# KiCad board uw-rs485_hat.kicad_pcb
date: 3 feb 2015
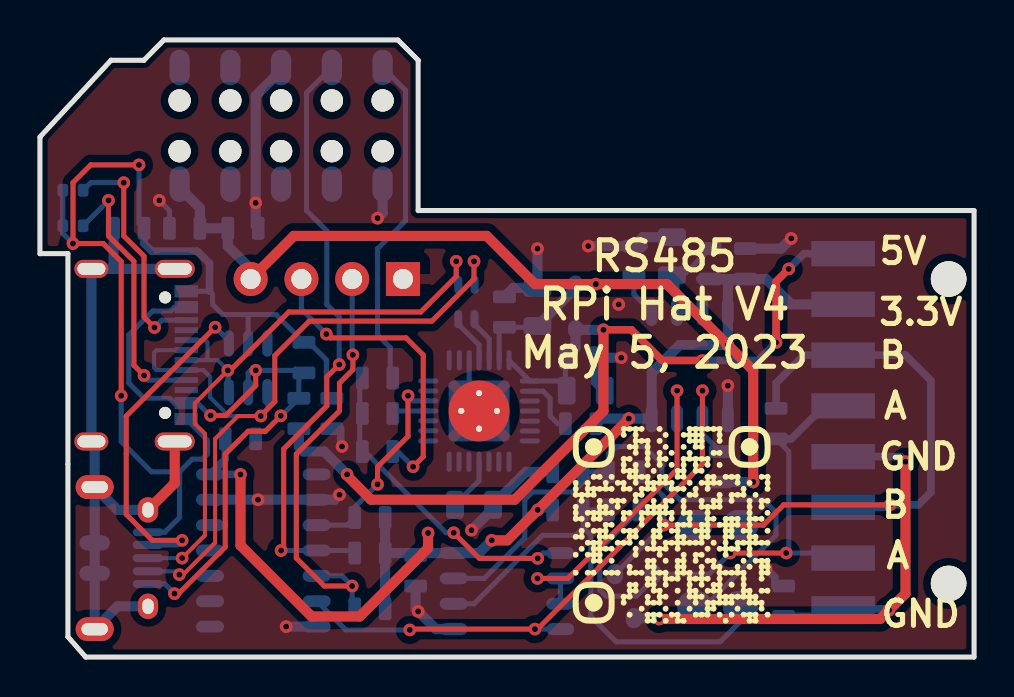
[diagram p0: board, top side]
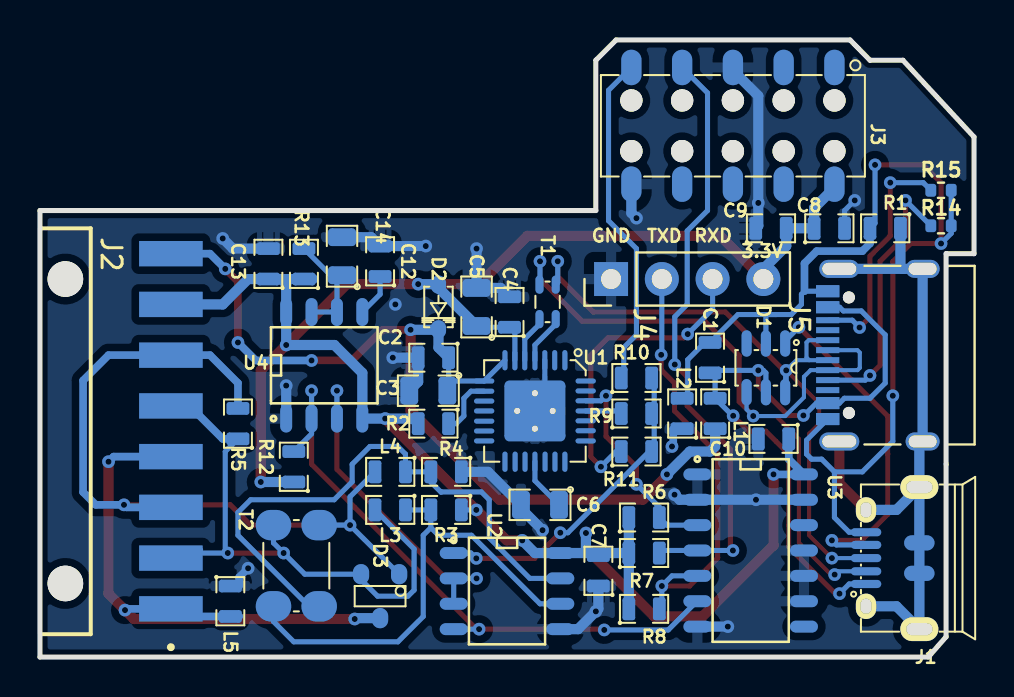
[diagram p1: board, bottom side, seen from below]

Outline 46.74 x 30.89 mm; copper layers: Front, Back. Coordinates in mm from the lower left corner of the outline.
Outline path: 0,26.03 0,20.19 1.4,20.19 1.4,1.02 2.29,0 46.74,0 46.74,22.35 18.92,22.35 18.92,29.88 17.91,30.89 6.2,30.89 5.2,29.88 3.56,29.88 0,26.03

## Placement (name value [footprint] x y rotation side)
C1  22pF/50V  [SM0603C]  13.21 14.99 90 bottom
C2  100nF/50V  [SM0603C]  27.05 14.99 0 bottom
C3  10uF/16V  [SM0805C]  27.3 13.34 0 bottom
C4  100nF/50V  [SM0603C]  23.24 17.27 90 bottom
C5  10uF/16V  [SM0805C]  24.89 17.53 90 bottom
C6  10uF/16V/DNP  [SM0805C]  21.72 7.62 0 bottom
C7  100nF/50V  [SM0603C]  18.8 4.32 90 bottom
C8  100nF/50V  [SM0603C]  7.24 21.46 180 bottom
C9  100nF/50V  [SM0603C]  10.16 21.46 180 bottom
C10  100nF/50V  [SM0603C]  10.03 10.92 0 bottom
C12  100nF/50V  [SM0603C]  29.72 19.81 90 bottom
C13  100nF/50V  [SM0603C]  35.31 19.69 90 bottom
C14  10nF/50V  [SM0805C]  31.62 20.07 90 bottom
D1  TVS_5V  [SOT23-6L]  10.41 14.48 90 bottom
D2  CUS08F30-H3F  [SOD323]  26.8 17.53 90 bottom
D3  SM712  [SOT23-3]  29.72 3.05 90 bottom
G***  -  [LOGO]  31.62 6.6 0 top
J1  USB-Micro  [usb-MicroXNJ]  2.74 4.95 180 bottom
J2  Conn_01x08_Male  [SAMTEC_TSM-108-01-T-SH-A-P-TR]  45.47 11.3 90 bottom
J3  Raspberry-Pi_2x5-Pin_Header  [con-WR-PHD-61031021821]  12.07 26.59 270 bottom
J4  Conn_01x04  [PinHeader_1x04_P2.54mm_Vertical]  18.16 18.92 90 bottom
J5  USB_C_Receptacle  [USB_C_Receptacle_Palconn_UTC16-G]  4.81 15.11 90 bottom
L1  Bead_300R  [SM0603L]  12.95 12.19 90 bottom
L2  Bead_300R  [SM0603L]  14.61 12.19 90 bottom
L3  Bead_300R/DNP  [SM0603L]  29.21 7.37 0 bottom
L4  Bead_300R/DNP  [SM0603L]  29.21 9.27 0 bottom
L5  Bead_300R  [SM0603L]  37.21 2.79 270 bottom
R1  10k  [SM0603]  4.45 21.46 0 bottom
R2  4k7  [SM0603]  27.05 11.68 0 bottom
R3  10k  [SM0603]  26.42 7.37 0 bottom
R4  10k  [SM0603]  26.42 9.27 0 bottom
R5  100R  [SM0603]  36.83 11.68 90 bottom
R6  10k  [SM0603]  16.51 6.98 180 bottom
R7  10k  [SM0603]  16.51 5.21 180 bottom
R8  10k  [SM0603]  16.51 2.41 180 bottom
R9  1k  [SM0603]  16.89 12.19 180 bottom
R10  1k  [SM0603]  16.89 13.97 180 bottom
R11  1k  [SM0603]  16.89 10.29 180 bottom
R12  10k  [SM0603]  34.04 9.53 90 bottom
R13  2K  [SM0603]  33.53 19.69 90 bottom
R14  5.1k  [R_0402_1005Metric]  1.65 21.59 180 bottom
R15  5.1k  [R_0402_1005Metric]  1.65 23.37 180 bottom
T1  CM_Choke_90R  [tr-smd-WE-CNSW_0805]  21.34 17.78 270 bottom
T2  CM_Choke_51uH  [tr-smd-WE-CNSW_1812]  33.91 4.57 90 bottom
U1  CP2102  [QFN28_5x5_P0.5mm_ppad]  21.97 12.32 0 bottom
U2  TP8485E  [SO8_4x5_P1.27mm]  23.37 3.3 270 bottom
U3  74HC11D  [SO14_4x9_P1.27mm]  11.18 5.33 270 bottom
U4  TLC555IDR  [SO8_4x5_P1.27mm]  32.51 14.6 180 bottom

## Library data of the parts
C1 = -: Digikey: 1276-1023-1-ND; LCSC: C1653; Manufacturer: Samsung; PartNumber: CL10C220JB8NNNC; Power: _; Tolerance: 5%
C2 C4 C7-C10 C12 C13 = -: Digikey: 1276-6854-1-ND; LCSC: C307348; Manufacturer: Samsung; PartNumber: CL10B104KB8WPNC; Power: _; Tolerance: 10%
C3 C5 C6 = -: Digikey: 1276-2872-1-ND; LCSC: C95841; Manufacturer: Samsung; PartNumber: CL21B106KOQNNNE; Power: _; Tolerance: 10%
C14 = -: Power: _; Tolerance: 10%
D1 = -: Digikey: !1727-2751-1-ND; LCSC: C558417; Manufacturer: Tech_Public; PartNumber: TPIP4220CZ6; Power: _; Tolerance: _
D2 = -: Digikey: CUS08F30H3FCT-ND; LCSC: C150183; Manufacturer: Toshiba; Power: 0.8A; Tolerance: _
D3 = -: Digikey: !F6450CT-ND; LCSC: C293966; Manufacturer: DOWO; Power: 400W; Tolerance: _
J1 = -: Digikey: !732-5961-1-ND; LCSC: C404969; Manufacturer: Shou_Han; PartNumber: MicroXNJ; Power: 1.8A; Tolerance: _
J3 = -: Digikey: _; LCSC: C261072; Manufacturer: Boomele; PartNumber: C261072; Power: _; Tolerance: _
J4 = -: Digikey: _; LCSC: C124378; Manufacturer: Ckmtw; PartNumber: B-2100S04P-A110; Power: 3A; Tolerance: _
J5 = -: LCSC: C2765186
L1-L5 = -: Digikey: !732-1592-1-ND; LCSC: C139165; Manufacturer: Guangdong_Fenghua_Advanced_Tech; PartNumber: CBM160808U301T; Power: 1.5A; Tolerance: 25%
R1 R3 R4 R6-R8 R12 = -: Digikey: 311-10.0KHRCT-ND; LCSC: C98220; Manufacturer: Yageo; PartNumber: RC0603FR-0710KL; Power: 1/10W; Tolerance: 1%
R2 = -: Digikey: 311-4.70KHRCT-ND; LCSC: C99782; Manufacturer: Yageo; PartNumber: RC0603FR-074K7L; Power: 1/10W; Tolerance: 1%
R5 = -: Digikey: 311-100HRCT-ND; LCSC: C105588; Manufacturer: Yageo; PartNumber: RC0603FR-07100RL; Power: 1/10W; Tolerance: 1%
R9-R11 = -: Digikey: 311-1.00KHRCT-ND; LCSC: C21190; Manufacturer: Uniroyal_Elec; PartNumber: 0603WAF1001T5E; Power: 1/10W; Tolerance: 1%
R13 = -: Power: 1/10W; Tolerance: 1%
R14 R15 = -: LCSC: C25905; Power: 1/10W; Tolerance: 1%
T1 = -: Digikey: !732-3198-1-ND; LCSC: C54888; Manufacturer: Sunlord; PartNumber: SDCW2012-2-900TF; Power: 0.37A; Tolerance: _
T2 = -: Digikey: !732-7290-1-ND; LCSC: C369764; Manufacturer: Sunlord; PartNumber: ACW4532B-2-510TF; Power: 0.23A; Tolerance: _
U1 = -: Digikey: 336-1160-1-ND; LCSC: C6568; Manufacturer: Silabs; PartNumber: CP2102-GMR; Power: _; Tolerance: _
U2 = -: Digikey: !MAX485ESA+TCT-ND; LCSC: C94206; Manufacturer: 3Peak; PartNumber: TP8485E-SR; Power: _; Tolerance: _
U3 = -: Digikey: 296-14830-1-ND; LCSC: C7643; Manufacturer: Texas_Instruments; PartNumber: SN74HC11DR; Power: _; Tolerance: _
U4 = -: Digikey: 296-1337-1-ND; LCSC: C6987; Manufacturer: Texas_Instruments; Power: _; Tolerance: _

## Footprints (pads in the part's own frame, mm; a bottom-side part is the same pattern mirrored in y, then rotated)
con-WR-PHD-61031021821
  round 1.118 hole 1.118 unplated: (-1.27,-5.08) (-1.27,-2.54) (-1.27,0) (-1.27,2.54) (-1.27,5.08) (1.27,-5.08) (1.27,-2.54) (1.27,0) (1.27,2.54) (1.27,5.08)
  oval 1.778x1.016 smd: 1(-2.921,5.08) 2(2.921,5.08) 3(-2.921,2.54) 4(2.921,2.54) 5(-2.921,0) 6(2.921,0) 7(-2.921,-2.54) 8(2.921,-2.54) 9(-2.921,-5.08) 10(2.921,-5.08)
PinHeader_1x04_P2.54mm_Vertical
  rect 1.7x1.7 hole 1: 1(0,0)
  oval 1.7x1.7 hole 1: 2(0,-2.54) 3(0,-5.08) 4(0,-7.62)
QFN28_5x5_P0.5mm_ppad
  oval 0.254x1.016 smd: 1(-1.499,-2.54) 2(-0.991,-2.54) 3(-0.495,-2.54) 4(0,-2.54) 5(0.508,-2.54) 6(1.003,-2.54) 7(1.499,-2.54) 15(1.499,2.54) 16(0.991,2.54) 17(0.495,2.54) 18(0,2.54) 19(-0.508,2.54) 20(-1.003,2.54) 21(-1.499,2.54)
  oval 1.016x0.254 smd: 8(2.54,-1.499) 9(2.54,-0.991) 10(2.54,-0.495) 11(2.54,0) 12(2.54,0.508) 13(2.54,1.003) 14(2.54,1.499) 22(-2.54,1.499) 23(-2.54,0.991) 24(-2.54,0.495) 25(-2.54,0) 26(-2.54,-0.508) 27(-2.54,-1.003) 28(-2.54,-1.499)
  rect 0.762x0.762 smd: 29(-0.889,-0.889) 29(-0.889,0.889) 29(0,0) 29(0.889,-0.889) 29(0.889,0.889)
  round 0.61 hole 0.305: 29(-0.889,0) 29(0,-0.889) 29(0,0.889) 29(0.889,0)
  oval 3.048x0.508 smd: 29(0,-1.27) 29(0,1.27)
  rect 3.048x2.54 smd: 29(0,0)
  round 3.048 smd far side: 29(0,0)
R_0402_1005Metric
  rrect 0.54x0.64 smd: 1(-0.51,0) 2(0.51,0)
SAMTEC_TSM-108-01-T-SH-A-P-TR
  round 1.78 hole 1.78 unplated: (-7.62,0) (7.62,0)
  rect 1.27x3.18 smd: 1(-8.89,-5.28) 2(-6.35,-5.28) 3(-3.81,-5.28) 4(-1.27,-5.28) 5(1.27,-5.28) 6(3.81,-5.28) 7(6.35,-5.28) 8(8.89,-5.28)
SM0603
  oval 0.635x0.254 smd: 1(-0.762,-0.445) 1(-0.762,0.445) 2(0.762,-0.445) 2(0.762,0.445)
  rect 0.635x0.889 smd: 1(-0.762,0) 2(0.762,0)
SM0603C
  oval 0.635x0.254 smd: 1(-0.762,-0.445) 1(-0.762,0.445) 2(0.762,-0.445) 2(0.762,0.445)
  rect 0.635x0.889 smd: 1(-0.762,0) 2(0.762,0)
SM0603L
  oval 0.635x0.254 smd: 1(-0.762,-0.445) 1(-0.762,0.445) 2(0.762,-0.445) 2(0.762,0.445)
  rect 0.635x0.889 smd: 1(-0.762,0) 2(0.762,0)
SM0805C
  oval 0.889x0.381 smd: 1(-0.953,-0.508) 1(-0.953,0.508) 2(0.953,-0.508) 2(0.953,0.508)
  rect 0.889x1.016 smd: 1(-0.953,0) 2(0.953,0)
SO8_4x5_P1.27mm
  oval 0.599x1.4 smd: 1(-1.905,-2.667) 2(-0.635,-2.667) 3(0.635,-2.667) 4(1.905,-2.667) 5(1.905,2.667) 6(0.635,2.667) 7(-0.635,2.667) 8(-1.905,2.667)
SO14_4x9_P1.27mm
  oval 0.599x1.4 smd: 1(-3.81,-2.667) 2(-2.54,-2.667) 3(-1.27,-2.667) 4(0,-2.667) 5(1.27,-2.667) 6(2.54,-2.667) 7(3.81,-2.667) 8(3.81,2.667) 9(2.54,2.667) 10(1.27,2.667) 11(0,2.667) 12(-1.27,2.667) 13(-2.54,2.667) 14(-3.81,2.667)
SOD323
  oval 0.914x0.762 smd: 1(1.118,0) 2(-1.118,0)
SOT23-3
  oval 1.016x0.813 smd: 1(1.1,-0.953) 2(1.1,0.953) 3(-1.1,0)
SOT23-6L
  oval 1.321x0.508 smd: 1(1.219,-0.965) 2(1.219,0) 3(1.219,0.965) 4(-1.219,0.965) 5(-1.219,0) 6(-1.219,-0.965)
tr-smd-WE-CNSW_0805
  oval 0.914x0.406 smd: 1(-0.864,0.406) 2(0.864,0.406) 3(0.864,-0.406) 4(-0.864,-0.406)
tr-smd-WE-CNSW_1812
  oval 1.524x1.778 smd: 1(-2.032,1.143) 2(2.032,1.143) 3(2.032,-1.143) 4(-2.032,-1.143)
usb-MicroXNJ
  oval 1.524x0.406 smd: 1(-2.667,-1.295) 2(-2.667,-0.66) 3(-2.667,0) 4(-2.667,0.66) 5(-2.667,1.295)
  oval 1.016x1.27 hole 0.559x0.762: 6(-2.667,-2.413) 6(-2.667,2.413)
  oval 1.905x1.194 hole 1.321x0.61: 6(0,-3.556) 6(0,3.556)
  oval 1.524x0.762 smd: 6(0,-0.762) 6(0,0.762)
USB_C_Receptacle_Palconn_UTC16-G
  round 0.6 hole 0.6 unplated: (-2.89,1.45) (2.89,1.45)
  rect 0.6x1.16 smd: A1(-3.2,2.51) A4(-2.4,2.51) A9(2.4,2.51) A12(3.2,2.51) B1(3.2,2.51) B4(2.4,2.51) B9(-2.4,2.51) B12(-3.2,2.51)
  rect 0.3x1.16 smd: A5(-1.25,2.51) A6(-0.25,2.51) A7(0.25,2.51) A8(1.25,2.51) B5(1.75,2.51) B6(0.75,2.51) B7(-0.75,2.51) B8(-1.75,2.51)
  oval 0.9x1.7 hole 0.6x1.4: S1(-4.32,-2.24) S1(4.32,-2.24)
  oval 0.9x2 hole 0.6x1.7: S1(-4.32,1.93) S1(4.32,1.93)

## Nets
+3.3V: C4.1 C5.1 C7.2 C8.1 C9.2 C10.1 C13.1 D2.1 J2.7 J3.2 J4.4 R2.2 R3.1 R6.1 R7.1 R8.1 R12.1 R13.1 U1.6 U2.8 U3.14 U4.4 U4.8
+5V: C2.1 C3.1 D2.2 J2.8 L1.1 U1.7 U1.8
GND: C2.2 C3.2 C4.2 C5.2 C6.2 C7.1 C8.2 C9.1 C10.2 C12.2 C13.2 C14.2 J3.5 J3.10 J4.1 L2.1 L5.1 R4.1 U1.3 U1.29 U2.5 U3.1 U3.2 U3.7 U3.9 U3.10 U3.11 U3.13 U4.1
/A: D3.2 J2.2 J2.5 L3.2 R5.1 T2.2
/B: D3.1 J2.3 J2.6 L4.2 R5.2 T2.3
/RS485A: L3.1 R3.2 T2.1 U2.6
/RS485B: L4.1 R4.2 T2.4 U2.7
/RXD: R9.2 R10.2 R11.2 U2.1
/RXDA: J4.3 R11.1
/RXDR: J3.9 R10.1
/RXDU: R9.1 U1.25
/TXD: R12.2 U2.4 U3.6 U4.2
/TXDA: J4.2 R8.2 U3.5
/TXDR: J3.7 R7.2 U3.4
/TXDU: R6.2 U1.26 U3.3
/TXEN: U2.2 U2.3 U4.3
/USB_D+: D1.6 J1.3 J5.A6 J5.B6 T1.1
/USB_D-: D1.4 J1.2 J5.A7 J5.B7 T1.4
/USB_DM: T1.3 U1.5
/USB_DP: T1.2 U1.4
/USB_GND: C1.2 D1.2 J1.5 J5.A1 J5.A12 J5.B1 J5.B12 L2.2 R1.2 R14.2 R15.2
/USB_SH: J1.6 J5.S1 R1.1
/USB_VCC: C1.1 D1.5 J1.1 J5.A4 J5.A9 J5.B4 J5.B9 L1.2
/~{RST}: R2.1 U1.9
Net-(C6-Pad1): C6.1 U1.18
Net-(C12-Pad1): C12.1 U4.5
Net-(C14-Pad1): C14.1 R13.2 U4.6 U4.7
Net-(D1-Pad1): D1.1 J1.4
Net-(D3-Pad3): D3.3 J2.1 J2.4 L5.2
Net-(J5-PadA5): J5.A5 R14.1
Net-(J5-PadB5): J5.B5 R15.1

Pads without a net: D1 3; J3 1 3 4 6 8; J5 A8 B8; U1 1 2 10 11 12 13 14 15 16 17 19 20 21 22 23 24 27 28; U3 8 12

## Via types
v1: diameter 0.635, hole 0.305, Front to Back, 70 vias

## Routing (per net, layer and track width the routed paths; a pad name or vN(x,y) marks a point on that pad's centre or on a via; arc(x,y) is an arc through that point)
+3.3V: length 113.6
  Front w0.508: v1(29.46,11.94) 29.46,11.93 24.58,7.04 ; 24.58,7.04 v1(24.9,7.37) ; 24.58,7.04 23.38,5.84 v1(22.61,5.84) ; J4.4 12.7,21.08 22.35,21.08 24.76,18.67 v1(27.81,18.67) 31.37,18.67 v1(34.42,15.62) 35.69,14.35 v1(35.69,8.76) ; v1(19.42,6.21) 19.42,5.45 16,2.03 13.59,2.03 10.03,5.59 v1(10.03,9.14)
  Back w0.254: C5.1 24.83,16.51 C4.1 22.97,16.24 22.97,14.86 ; R3.1 v1(24.9,7.37)
  Back w0.381: v1(10.03,9.14) U3.14 9.27,9.91 C10.1
  Back w0.508: 19.43,5.21 R7.1 ; 19.43,5.21 U2.8 21.97,5.21 v1(22.61,5.84) ; 19.43,5.21 19.42,5.22 v1(19.42,6.21) ; 34.67,18.92 34.42,18.67 U4.8 v1(34.42,15.62) 32,15.62 30.61,14.22 U4.4 v1(29.46,11.94) 28.07,11.94 R2.2 ; 34.67,18.92 C13.1 36.32,18.92 37.59,17.65 J2.7 ; 34.67,18.92 R13.1 ; C5.1 26.8,18.48 D2.1 26.82,18.67 v1(27.81,18.67) ; J3.2 6.98,23.5 8,22.48 C8.1 C9.2 9.4,20.57 10.54,19.43 J4.4 10.16,19.3 ; R12.1 v1(35.69,8.76) ; R6.1 R8.1
+5V: length 47.8
  Front w0.381: v1(37.47,19.43) 36.83,18.8 v1(36.83,15.75) ; v1(33.15,14.85) 31.13,14.85 29.59,16.38 v1(28.19,16.38)
  Front w0.508: v1(15.37,9.14) 15.37,9.08 16.57,7.87 23.75,7.87 28.19,12.32 v1(28.19,16.38)
  Back w0.254: 23.47,14.86 U1.8 26.33,13.82 C3.1 ; C3.1 26.29,13.4 C2.1
  Back w0.381: v1(37.47,19.43) 38.23,20.19 J2.8 ; v1(36.83,15.75) 35.93,14.85 v1(33.15,14.85)
  Back w0.508: v1(28.19,16.38) 26.82,16.38 D2.2 26.8,15.49 C2.1 ; L1.1 12.95,10.54 13.21,10.29 14.22,10.29 v1(15.37,9.14)
GND: length 48.7
  Back w0.254: U1.29 21.48,13.7 21.48,14.86 ; v1(5.97,22.86) 6.48,22.35 C8.2
  Back w0.381: v1(36.32,4.44) 36.77,4 L5.1 ; L2.1 15.05,10.6 v1(15.11,10.54)
  Back w0.508: v1(37.59,20.95) 37.08,20.45 C13.2 ; C12.2 v1(27.43,20.57) ; v1(29.08,14.99) C2.2 27.81,13.78 C3.2 ; v1(21.59,6.35) 22.67,7.43 C6.2 24.32,9.27 R4.1 ; C14.2 30.16,21.02 C12.2 ; U3.13 v1(10.91,7.87) U3.2 14.73,7.87 v1(14.99,8.13) ; v1(24.89,20.45) C5.2 23.69,18.48 C4.2 ; U3.7 v1(12.32,1.52) ; U2.5 19.81,1.4 v1(18.92,2.29) 18.8,2.41 C7.1 ; v1(16.89,21.97) 17.14,22.22 J3.10 ; C9.1 10.79,21.59 v1(10.79,22.73) 10.79,28.1 12.07,29.37 J3.5 ; U4.1 v1(34.42,13.59)
  vias: v1(28.96,17.65)
/A: length 33.6
  Front w0.254: v1(37.34,5.21) v1(34.54,5.21)
  Back w0.254: R5.1 R5.1 37.47,10.29 37.47,5.33 v1(37.34,5.21) 39.93,5.21 J2.2 ; 35.05,6.6 35.05,5.72 33.48,4.15 D3.2 30.67,3.87 29.85,3.05 28.32,3.05 28.02,3.35 28.02,5.41 L3.2 ; 41.15,12.99 40.19,12.99 39.65,12.45 ; 38.7,5.37 40.19,5.37
  Back w0.381: R5.1 37.59,10.92 39.24,12.57 J2.5
/B: length 40.4
  Front w0.254: v1(42.53,7.62) 37.21,7.62 36.19,6.6 v1(31.22,6.6)
  Back w0.254: v1(31.22,6.6) 31.22,8.02 L4.2 ; v1(31.22,6.6) D3.1 ; v1(31.22,6.6) T2.3 ; 40.23,7.87 40.19,7.91
  Back w0.381: R5.2 36.83,13.72 38.23,15.11 J2.6 43.31,15.11 44.58,13.84 44.58,8.25 43.94,7.62 v1(42.53,7.62) 42.41,7.49 J2.3
/RS485A: length 24
  Back w0.254: 27.18,6.48 27.56,6.1 27.56,2.03 28.83,0.76 34.04,0.76 35.05,1.78 35.05,2.54 ; 27.18,6.48 R3.2 L3.1 ; 27.18,6.48 26.8,6.1 25.15,6.1 21.72,2.67 U2.6
/RS485B: length 29.4
  Back w0.254: T2.4 33.27,2.54 36.83,6.1 36.83,7.24 36.19,7.87 32.01,7.87 31.11,8.77 31.11,9.65 30.23,10.54 28.83,10.54 28.45,10.16 L4.1 R4.2 27.18,8.76 26.67,8.25 26.66,8.27 24.65,8.27 24.26,7.87 24.26,5.97 22.22,3.94 U2.7
/RXD: length 15.9
  Front w0.254: v1(24.91,4.94) 21.98,4.94 v1(20.7,6.22)
  Back w0.254: v1(24.91,4.94) 25.17,5.21 U2.1 ; v1(20.7,6.22) 20.32,6.22 16,10.54 16,13.97
/RXDA: length 15.8
  Front w0.254: v1(14.33,16.17) 14.52,15.98 18.32,15.98 19.18,15.12 19.18,10.03 v1(18.67,9.53)
  Back w0.254: 17.53,10.29 17.91,10.29 v1(18.67,9.53) ; J4.3 13.08,17.41 v1(14.33,16.17)
/RXDR: length 16.9
  Back w0.254: J3.9 18.29,28.37 18.29,21.84 16.89,20.45 16.89,16.13 17.53,15.49 17.53,13.97
/RXDU: length 2
  Back w0.254: 17.53,12.19 17.65,12.32 U1.25
/TXD: length 31.7
  Front w0.254: v1(18.5,1.36) 18.54,1.4 v1(24.76,1.4) 24.89,1.4 33.15,9.65 v1(33.15,13.34)
  Back w0.254: v1(18.5,1.36) 15.3,1.36 13.86,2.79 U3.6 ; v1(24.76,1.4) U2.4 ; R12.2 33.15,11.18 U4.2 v1(33.15,13.34)
/TXDA: length 21.8
  Front w0.254: v1(15.62,3.56) 14.22,3.56 12.83,4.95 12.83,10.16 14.99,12.32 14.99,13.72 15.66,14.39 v1(15.66,15.13)
  Back w0.254: 15.62,19.05 15.62,15.16 v1(15.66,15.13) ; 15.62,2.41 v1(15.62,3.56) 15.11,4.06 U3.5
/TXDR: length 30.3
  Front w0.254: v1(12.07,5.33) 12.19,5.46 12.19,10.41 14.35,12.57 14.35,14.02 v1(14.97,14.64)
  Back w0.254: J3.7 13.33,28.24 13.33,22.35 14.35,21.34 14.35,17.65 14.97,17.03 v1(14.97,14.64) ; R7.2 15.62,5.33 v1(12.07,5.33)
/TXDU: length 10.4
  Front w0.254: v1(18.42,13.08) 18.42,11.05 16.89,9.53 v1(16.89,8.65)
  Back w0.254: v1(18.42,13.08) 18.67,12.83 U1.26 ; v1(16.89,8.65) 15.75,7.51 R6.2 15.37,6.6 U3.3
/TXEN: length 17
  Front w0.254: v1(24.89,3.94) 26.42,3.94 31.88,9.4 v1(31.88,13.34)
  Back w0.254: U4.3 v1(31.88,13.34) ; U2.3 U2.2 v1(24.89,3.94)
/USB_D+: length 34.4
  Front w0.203: v1(9.4,14.35) 7.75,12.7 7.75,11.68 8.25,11.18 8.25,6.1 v1(7.11,4.95)
  Front w0.254: v1(20.83,19.81) 20.83,19.05 19.05,17.27 12.45,17.27 9.53,14.35 v1(9.4,14.35)
  Back w0.203: D1.6 9.45,14.3 8.89,14.86 8.25,14.86 ; 8.25,14.86 8.38,14.99 8.38,15.75 8.27,15.86 J5.B6 ; 8.25,14.86 J5.A6 ; J1.3 v1(7.11,4.95)
  Back w0.254: v1(20.83,19.81) 20.83,18.75 T1.1 ; v1(9.4,14.35) 9.4,13.31 D1.6
/USB_D-: length 39.7
  Front w0.203: v1(6.97,4.13) 7.17,4.13 8.76,5.72 8.76,10.92 9.91,12.06 v1(11.05,12.06)
  Front w0.254: v1(21.72,19.81) 21.72,18.92 19.61,16.82 13.48,16.82 11.75,15.09 11.75,12.79 11.05,12.08 v1(11.05,12.06)
  Back w0.203: v1(6.97,4.13) 6.81,4.29 J1.2 ; J5.A7 5.84,15.36 5.71,15.24 5.71,14.48 5.83,14.36 J5.B7 8.18,14.36 8.51,14.03 8.51,13 9.45,12.06 v1(11.05,12.06) 11.38,12.4 D1.4
  Back w0.254: v1(21.72,19.81) 21.72,18.67 T1.4
/USB_DM: length 2.4
  Back w0.254: 22.48,14.86 22.48,15.93 21.74,16.66 T1.3
/USB_DP: length 2.5
  Back w0.254: T1.2 20.93,16.66 21.97,15.62 21.97,14.86
/USB_GND: length 54.9
  Front w0.254: v1(4.06,13.08) 4.06,19.8 3.16,20.7 v1(1.65,20.7) 1.65,23.75 2.54,24.64 v1(4.95,24.64)
  Back w0.254: 6.98,9.27 6.98,6.98 6.25,6.25 J1.5 ; 6.98,9.27 5.59,9.27 4.06,10.79 v1(4.06,13.08) ; 6.98,9.27 7.62,9.91 8.13,9.91 8.38,10.16 8.38,10.85 7.32,11.91 ; 9.91,17.14 10.41,17.14 D1.2 ; 9.91,17.14 11.81,17.14 C1.2 13.46,15.75 14.33,14.88 14.33,13.23 L2.2 ; 9.91,17.14 9.14,17.14 8.64,17.65 8.64,18.16 8.48,18.31 J5.A12 ; v1(1.65,20.7) 1.14,21.21 R14.2 R15.2 ; R1.2 4.95,21.72 v1(4.95,24.64)
  Back w0.381: R1.2 5.21,20.7 5.59,20.32 7.87,20.32 8.48,19.71 8.48,18.31
/USB_SH: length 34.6
  Front w0.508: J1.6 6.74,8.7 J5.S1
  Back w0.508: 2.74,8.51 J1.6 3.88,2.54 J1.6 ; 2.74,8.51 3.88,7.37 J1.6 ; 2.74,8.51 2.74,10.63 J5.S1 J5.S1 3.56,19.43 ; 3.56,19.43 J5.S1 ; 3.56,19.43 3.68,19.56 R1.1
/USB_VCC: length 34
  Front w0.254: v1(10.79,14.35) 10.79,13.59 9.3,12.09 v1(8.54,12.09) ; v1(6.73,3.17) 6.94,3.17 9.27,5.51 9.27,10.16 10.41,11.3 11.28,11.3 v1(12.05,12.08)
  Back w0.254: J5.A9 6.73,17.51 6.54,17.33 5.64,17.33 4.45,16.13 4.45,13.72 5.21,12.95 6.49,12.95 6.74,12.71 7.31,12.71 J5.A4 7.89,12.71 8.5,12.09 v1(8.54,12.09) ; v1(6.73,3.17) 6.25,3.66 J1.1 ; D1.5 10.41,14.22 10.54,14.35 v1(10.79,14.35) 13.08,14.35 C1.1 12.95,13.97 L1.2 12.08,12.08 v1(12.05,12.08)
/~{RST}: length 3
  Back w0.254: R2.1 25.91,11.68 25.53,12.06 25.53,12.95 25.17,13.31 U1.9
Net-(C6-Pad1): length 2.7
  Back w0.254: C6.1 21.97,8.83 U1.18
Net-(C12-Pad1): length 2.1
  Back w0.254: C12.1 29.72,18.16 U4.5
Net-(C14-Pad1): length 5.7
  Back w0.254: U4.7 U4.6 31.88,18.86 C14.1 32.19,19.11 R13.2
Net-(D1-Pad1): length 17.4
  Front w0.254: v1(8.76,16.51) 4.32,12.06 4.32,7.14 5.62,5.84 v1(7.11,5.84)
  Back w0.254: v1(7.11,5.84) 6.88,5.61 J1.4 ; v1(8.76,16.51) 9.45,15.82 D1.1
Net-(D3-Pad3): length 29.9
  Front w0.508: v1(43.31,9.78) 43.31,3.17 v1(42.48,2.35) 42.04,1.91 v1(30.99,1.91)
  Back w0.381: v1(43.31,9.78) 43.05,10.03 J2.4 ; L5.2 39.81,2.03 40.19,2.41 42.42,2.41 v1(42.48,2.35)
  Back w0.508: v1(30.99,1.91) 30.94,1.95 D3.3
Net-(J5-PadA5): length 13.5
  Front w0.254: v1(3.43,22.86) 3.43,21.08 4.7,19.81 4.7,14.6 v1(5.21,14.1)
  Back w0.254: v1(5.21,14.1) 5.44,13.86 J5.A5 ; R14.1 3.43,22.86 v1(3.43,22.86)
Net-(J5-PadB5): length 11.8
  Front w0.254: v1(4.19,23.75) 4.19,21.08 5.21,20.07 5.21,17.02 v1(5.73,16.5)
  Back w0.254: v1(5.73,16.5) 6.09,16.86 J5.B5 ; R15.1 2.54,23.75 v1(4.19,23.75)

## Copper pours and planes (outline as drawn; the poured copper is in the pictures)
GND on Front, Back: 47.37,-0.63 -0.89,-0.63 -0.89,31.62 47.37,31.62

## Text on the board
B.Silkscreen: 3.3V | RXD | TXD | GND
User.Eco1: J4 | PWR | J8 | TP14 | J1 | TP11 | RUN | TP1 | GLOBAL_EN | TP12 | TP7 | J2 | TP15 | TP13 | J6 | TP8 | J13 | J3 | TP9 | TP5 | TP2 | TP4 | J7 | TP22 | TP24 | J14 | TP3 | TP23 | TP17 | TP10 | TP6 | TP34 | J10 | J11 | J12 | TP18 | TP26 | TP27 | J5 | ACT | PoE | TP20 | TP19 | FCC ID: 2ABCB-RPI4B | IC: 20953-RPI4B | GPIO | Made in the UK | ETHERNET | USB3 | USB2 | DISPLAY | POWER IN | HDMI0 | HDMI1 | CAMERA | A/V | Proant AB | Licensed From | Uses Technology | MICRO SD CARD | Raspberry Pi 4 Model B | c Raspberry Pi 2018 | PCB MADE | PCB-R4 | IN P.R.C.
F.Silkscreen: 1.6mm thickness | B | A | 5V | GND | 3.3V | RS485 / RPi Hat V4 / May 5, 2023
